# Altium PCB Zettbret.PcbDoc
Units mm, origin at the board's own origin, x right, y up, seen from the top; angles counter-clockwise.
Board outline 99.95 x 70.01 mm, 10 copper layers (L1(SIG), L2(GND), L3(PWR), L4(SIG), L5(GND), L6(SIG), L7(GND), L8(SIG), L9(GND), L10(SIG)), stack 1.49 mm thick; 421 components, 326 nets, 42 pads, 9 vias.
Unrouted connection lines stored in the file: 1395.
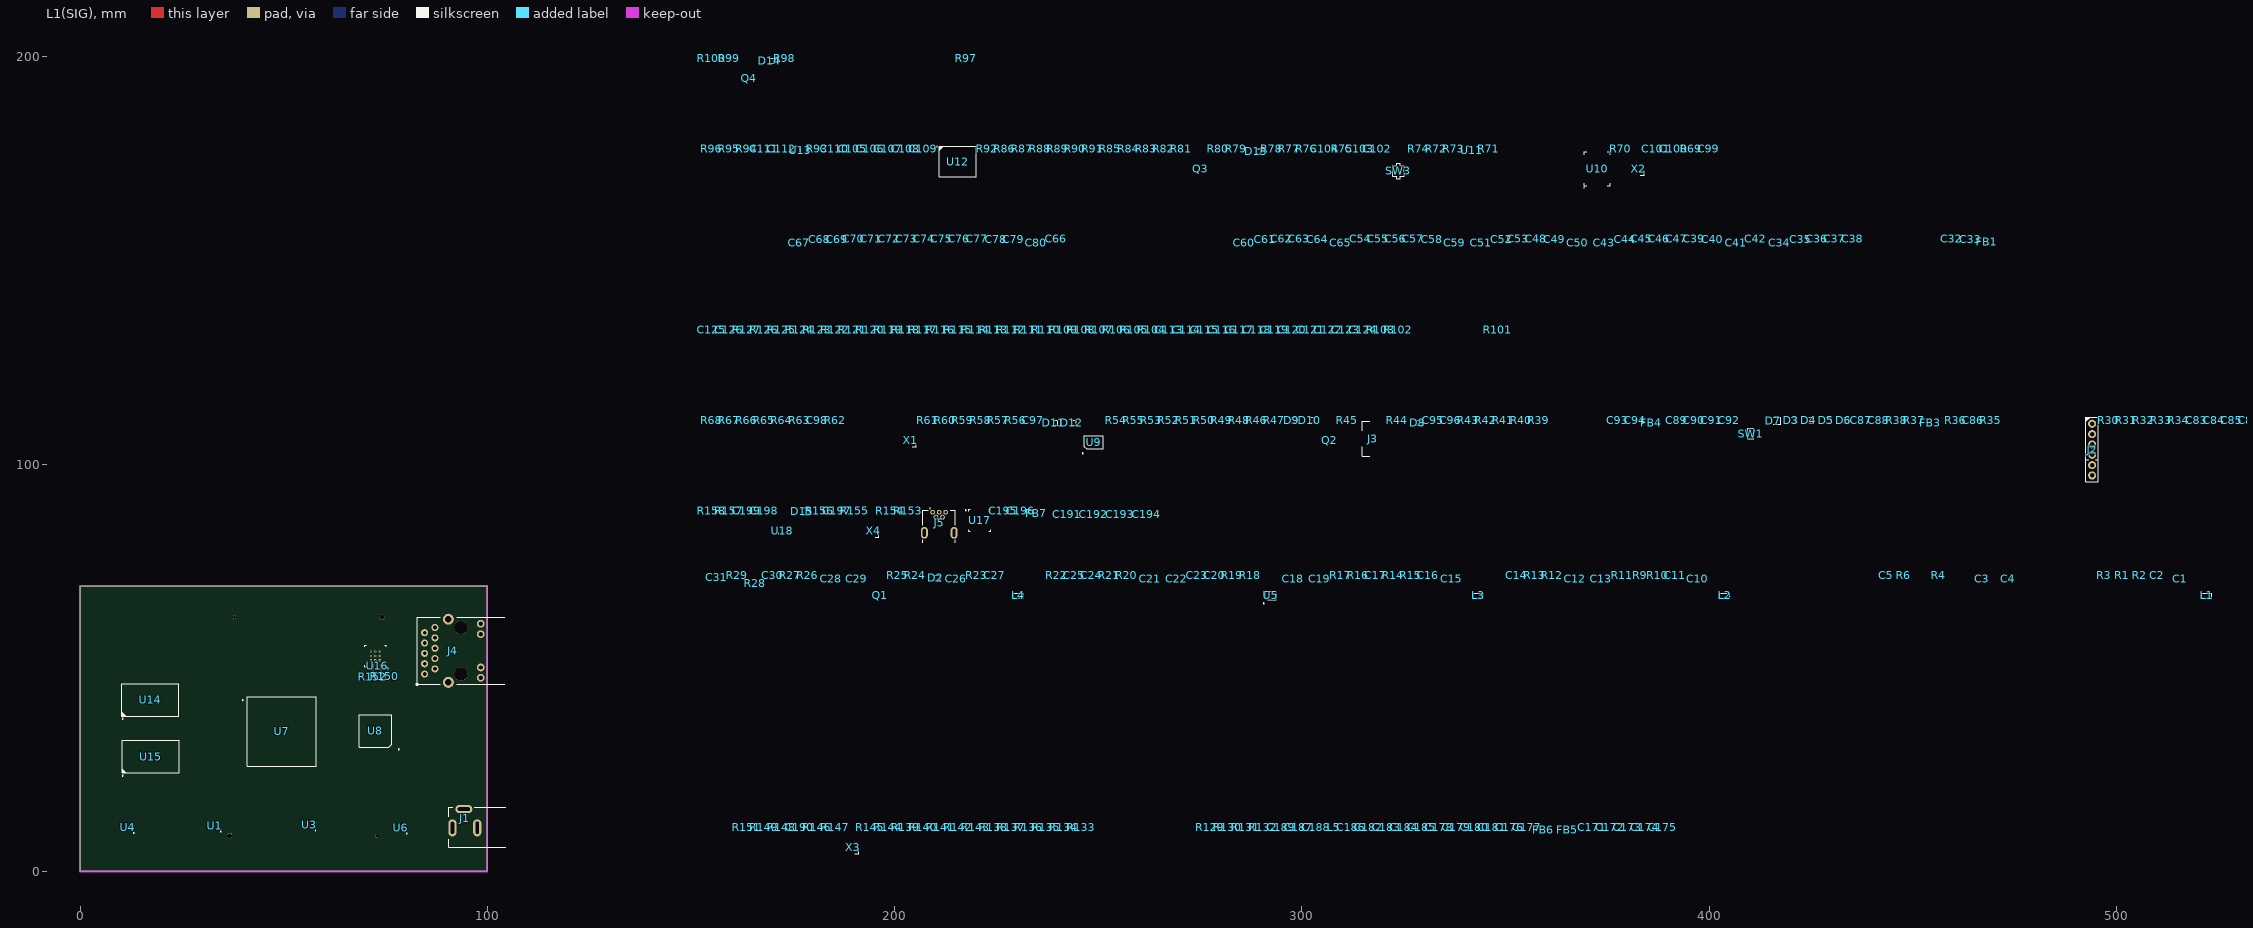
[diagram p0: L1(SIG) view]
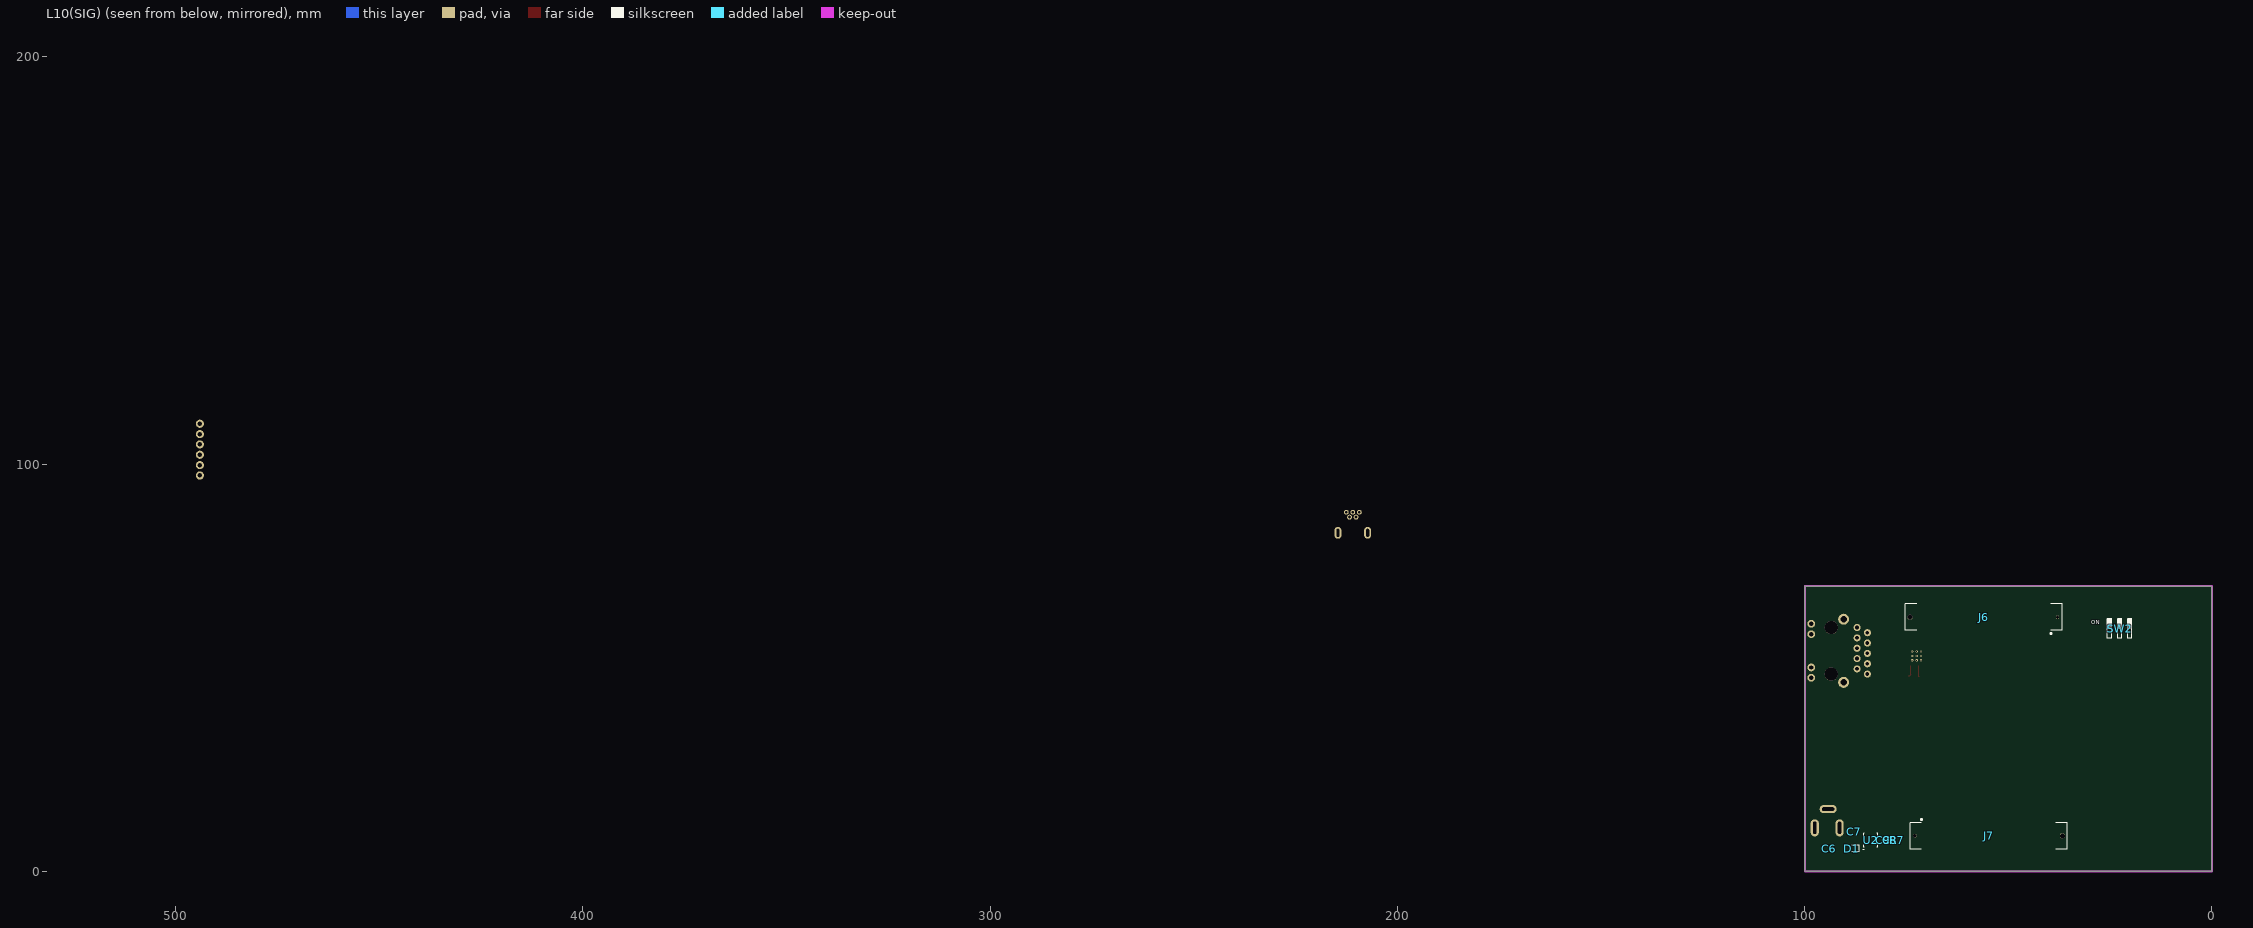
[diagram p1: L10(SIG) view, seen from below]

## Layer stack, top to bottom
Top Solder: solder mask 0.0254, SM-002, Dk 4
L1(SIG): signal copper 0.035
PP1_1080: prepreg 0.07, PP-006, Dk 4
L2(GND): signal copper 0.035
C1: core 0.15, Core-016, Dk 4.9
L3(PWR): signal copper 0.035
PP2_1080: prepreg 0.133, PP-006, Dk 4
L4(SIG): signal copper 0.035
C2: core 0.15, Core-016, Dk 4.9
L5(GND): signal copper 0.035
PP3_1080: prepreg 0.134, PP-006, Dk 4.1
L6(SIG): signal copper 0.035
C3: core 0.15, Core-016, Dk 4.9
L7(GND): signal copper 0.035
PP4_1080: prepreg 0.133, PP-006, Dk 4
L8(SIG): signal copper 0.035
C4: core 0.15, Core-016, Dk 4.9
L9(GND): signal copper 0.035
PP5_1080: prepreg 0.07, PP-006, Dk 4
L10(SIG): signal copper 0.035
Bottom Solder: solder mask 0.0254, SM-002, Dk 4

## Board outline
0,0 0,70.013 99.955,70.013 99.955,0

## Design rules (kind name [scope] priority, off if disabled: settings)
Clearance [All] p1: gap=0.152 ignorepadtopadclearanceinfootprint=TRUE
DiffPairsRouting [All] p1: maxlimit=0.254 minlimit=0.254 mostfreqgap=0.254 toplayer_minwidth=0.381 toplayer_maxwidth=0.381 toplayer_prefwidth=0.381 midlayer1_minwidth=0.381 midlayer1_maxwidth=0.381 midlayer1_prefwidth=0.381 midlayer2_minwidth=0.381 midlayer2_maxwidth=0.381 midlayer2_prefwidth=0.381 midlayer3_minwidth=0.381 midlayer3_maxwidth=0.381 midlayer3_prefwidth=0.381 midlayer4_minwidth=0.381 midlayer4_maxwidth=0.381 midlayer4_prefwidth=0.381 midlayer5_minwidth=0.381 midlayer5_maxwidth=0.381 midlayer5_prefwidth=0.381 midlayer6_minwidth=0.381 midlayer6_maxwidth=0.381 midlayer6_prefwidth=0.381 midlayer7_minwidth=0.381 midlayer7_maxwidth=0.381 midlayer7_prefwidth=0.381 midlayer8_minwidth=0.381 midlayer8_maxwidth=0.381 midlayer8_prefwidth=0.381 bottomlayer_minwidth=0.381 bottomlayer_maxwidth=0.381 bottomlayer_prefwidth=0.381 maxuncoupledlength=12.7
MatchedLengths "Schematic Matched Net Lengths_14" [InNetClass('RGMII_RX')] p1: tolerance=25.4 checknetsindiffpair=FALSE checkdiffpairvsdiffpair=TRUE checkxsignals=TRUE checkothers=TRUE usedelayunits=TRUE delaytolerance=20.000000
MatchedLengths "Schematic Matched Net Lengths" [InNetClass('QSPI')] p2: tolerance=25.4 checknetsindiffpair=FALSE checkdiffpairvsdiffpair=TRUE checkxsignals=TRUE checkothers=TRUE usedelayunits=TRUE delaytolerance=20.000000
PolygonConnect [All] p1: connectstyle=Relief reliefconductorwidth=0.254 reliefentries=4 polygonreliefangle="90 Angle" airgapwidth=0.254
RoutingVias [All] p1: holewidth=0.711 width=1.27 viastyle="Through Hole" minholewidth=0.711 minwidth=1.27 maxholewidth=0.711 maxwidth=1.27
SolderMaskExpansion [All] p1: expansion=0.102 istentingtop=FALSE
SupplyNets "Schematic Supply Nets_22" [InNet('+3V3_FTDI_PLL')] p1: voltage=0.000
SupplyNets "Schematic Supply Nets_12" [InNet('+3V3_FTDI_PHY')] p2: voltage=0.000
SupplyNets "Schematic Supply Nets_21" [InNet('NetJ3_SH')] p3: voltage=0.000
SupplyNets "Schematic Supply Nets_20" [InNet('+1V8_ETH')] p4: voltage=0.000
SupplyNets "Schematic Supply Nets_19" [InNet('+5V')] p5: voltage=0.000
SupplyNets "Schematic Supply Nets_18" [InNet('+1V35')] p6: voltage=0.000
SupplyNets "Schematic Supply Nets_17" [InNet('+1V0')] p7: voltage=0.000
SupplyNets "Schematic Supply Nets_16" [InNet('+0V675_Ref')] p8: voltage=0.000
SupplyNets "Schematic Supply Nets_15" [InNet('+5V_USB_AB')] p9: voltage=0.000
SupplyNets "Schematic Supply Nets_14" [InNet('+5V_USB')] p10: voltage=0.000
SupplyNets "Schematic Supply Nets_13" [InNet('+3V3_ETH')] p11: voltage=0.000
SupplyNets "Schematic Supply Nets_11" [InNet('+5V_USB_SW')] p12: voltage=0.000
SupplyNets "Schematic Supply Nets_10" [InNet('+1V8')] p13: voltage=0.000
SupplyNets "Schematic Supply Nets_9" [InNet('+1V8_PLL')] p14: voltage=0.000
SupplyNets "Schematic Supply Nets_8" [InNet('+0V675')] p15: voltage=0.000
SupplyNets "Schematic Supply Nets_7" [InNet('+VDC')] p16: voltage=0.000
SupplyNets "Schematic Supply Nets_6" [InNet('CGND')] p17: voltage=0.000
SupplyNets "Schematic Supply Nets_5" [InNet('+3V3')] p18: voltage=0.000
SupplyNets "Schematic Supply Nets_4" [InNet('VCC')] p19: voltage=0.000
SupplyNets "Schematic Supply Nets_3" [InNet('+1V0_ETH')] p20: voltage=0.000
SupplyNets "Schematic Supply Nets_2" [InNet('+VCC')] p21: voltage=0.000
SupplyNets "Schematic Supply Nets_1" [InNet('GND')] p22: voltage=0.000
SupplyNets "Schematic Supply Nets" [InNet('+1V8_FTDI')] p23: voltage=0.000
Width [All] p1: maxlimit=0.5 minlimit=0.2 preferedwidth=0.254
29 further rules are at their usual default settings.

## Classes and differential pairs
net class ULPI: USB_CLK USB_DATA0 USB_DATA1 USB_DATA2 USB_DATA3 USB_DATA4 USB_DATA5 USB_DATA6 USB_DATA7 USB_DIR USB_NXT USB_STP
net class RGMII_TX_PHY: ETH_PHY_TXCLK ETH_PHY_TXCLT ETH_PHY_TXD0 ETH_PHY_TXD1 ETH_PHY_TXD2 ETH_PHY_TXD3
net class RGMII_RX_PHY: ETH_PHY_RXCLK ETH_PHY_RXCLT ETH_PHY_RXD0 ETH_PHY_RXD1 ETH_PHY_RXD2 ETH_PHY_RXD3
net class DDR_BL3: DDR_DM3 DDR_DQ24 DDR_DQ25 DDR_DQ26 DDR_DQ27 DDR_DQ28 DDR_DQ29 DDR_DQ30 DDR_DQ31 DDR_DQS3_N DDR_DQS3_P
net class DDR_BL2: DDR_DM2 DDR_DQ16 DDR_DQ17 DDR_DQ18 DDR_DQ19 DDR_DQ20 DDR_DQ21 DDR_DQ22 DDR_DQ23 DDR_DQS2_N DDR_DQS2_P
net class DDR_BL1: DDR_DM1 DDR_DQ8 DDR_DQ9 DDR_DQ10 DDR_DQ11 DDR_DQ12 DDR_DQ13 DDR_DQ14 DDR_DQ15 DDR_DQS1_N DDR_DQS1_P
net class DDR_BL0: DDR_DM0 DDR_DQ0 DDR_DQ1 DDR_DQ2 DDR_DQ3 DDR_DQ4 DDR_DQ5 DDR_DQ6 DDR_DQ7 DDR_DQS0_N DDR_DQS0_P
differential pair class DDR_DIFF_100: DDR_DQS0 DDR_DQS1 DDR_DQS2 DDR_DQS3
net class DDR_ACC: DDR_A0 DDR_A1 DDR_A2 DDR_A3 DDR_A4 DDR_A5 DDR_A6 DDR_A7 DDR_A8 DDR_A9 DDR_A10 DDR_A11 DDR_A12 DDR_A13 DDR_A14 DDR_BA0 DDR_BA1 DDR_BA2 DDR_CK_N DDR_CK_P DDR_CKE DDR_NCAS DDR_NCS DDR_NRAS DDR_NRST DDR_NWE DDR_ODT
differential pair class ETH_DIFF_100: MDI0 MDI1 MDI2 MDI3
differential pair class 100ohm: PL_B34_L4 PL_B34_L7 PL_B34_L8 PL_B34_L10 PL_B34_L11 PL_B34_L14 PL_B34_L15 PL_B34_L16 PL_B34_L17 PL_B34_L18 PL_B34_L22
differential pair class 90OHM: USB_FTDI_D USB_HS_D
net class RGMII_RX: ETH_RXCLK ETH_RXCLT ETH_RXD0 ETH_RXD1 ETH_RXD2 ETH_RXD3 ETH_TXCLK ETH_TXCLT ETH_TXD0 ETH_TXD1 ETH_TXD2 ETH_TXD3 SD_D3
net class QSPI: FLASH_CLK_M4 QSPI_CLK QSPI_DQ0_M3 QSPI_DQ1_M1 QSPI_DQ2_M2 QSPI_DQ3_M0 QSPI_NCS
net class ETH_MDI: MDI0_N MDI0_P MDI1_N MDI1_P MDI2_N MDI2_P MDI3_N MDI3_P
net class BANK35: PL_B5_L5_N PL_B5_L5_P PL_B35_IO25 PL_B35_L3_N PL_B35_L3_P PL_B35_L6_N PL_B35_L6_P PL_B35_L7_N PL_B35_L7_P PL_B35_L8_N PL_B35_L8_P PL_B35_L9_N PL_B35_L9_P PL_B35_L11_N PL_B35_L13_N PL_B35_L13_P PL_B35_L14_N PL_B35_L14_P PL_B35_L16_N PL_B35_L16_P PL_B35_L20_N PL_B35_L20_P PL_B35_L22_N PL_B35_L22_P PL_B35_L23_N PL_B35_L23_P PL_B35_L24_N
net class BANK34: PL_B34_L4_N PL_B34_L4_P PL_B34_L7_N PL_B34_L7_P PL_B34_L8_N PL_B34_L8_P PL_B34_L10_N PL_B34_L10_P PL_B34_L11_N PL_B34_L11_P PL_B34_L14_N PL_B34_L14_P PL_B34_L15_N PL_B34_L15_P PL_B34_L16_N PL_B34_L16_P PL_B34_L17_N PL_B34_L17_P PL_B34_L18_N PL_B34_L18_P PL_B34_L22_N PL_B34_L22_P
component class "Zynq programmable logic (PL)": D14 Q4 R97 R98 R99 R100
component class "Zynq processing system (PS)": C99 C100 C101 C102 C103 C104 C105 C106 C107 C108 C109 C110 C111 C112 D13 Q3 R69 R70 R71 R72 R73 R74 R75 R76 R77 R78 R79 R80 R81 R82 R83 R84 R85 R86 R87 R88 R89 R90 R91 R92 R93 R94 R95 R96 SW3 U10 U11 U12 U13 X2
component class "Zynq power and decoupling": C32 C33 C34 C35 C36 C37 C38 C39 C40 C41 C42 C43 C44 C45 C46 C47 C48 C49 C50 C51 C52 C53 C54 C55 C56 C57 C58 C59 C60 C61 C62 C63 C64 C65 C66 C67 C68 C69 C70 C71 C72 C73 C74 C75 C76 C77 C78 C79 C80 FB1 U7
component class "Zynq DDR Interface & Termination": C113 C114 C115 C116 C117 C118 C119 C120 C121 C122 C123 C124 C125 C126 R101 R102 R103 R104 R105 R106 R107 R108 R109 R110 R111 R112 R113 R114 R115 R116 R117 R118 R119 R120 R121 R122 R123 R124 R125 R126 R127
component class "Zynq config, JTAG, Debug": C81 C82 C83 C84 C85 C86 C87 C88 C89 C90 C91 C92 C93 C94 C95 C96 C97 C98 D3 D4 D5 D6 D7 D8 D9 D10 D11 D12 FB2 FB3 FB4 J2 J3 Q2 R30 R31 R32 R33 R34 R35 R36 R37 R38 R39 R40 R41 R42 R43 R44 R45 R46 R47 R48 R49 R50 R51 R52 R53 R54 R55 R56 R57 R58 R59 R60 R61 R62 R63 R64 R65 R66 R67 R68 SW1 SW2 U8 U9 X1
component class "USB 2.0 High-Speed (OTG)": C191 C192 C193 C194 C195 C196 C197 C198 C199 D15 FB7 J5 R153 R154 R155 R156 R157 R158 U17 U18 X4
component class Power_supplies: C1 C2 C3 C4 C5 C6 C7 C8 C9 C10 C11 C12 C13 C14 C15 C16 C17 C18 C19 C20 C21 C22 C23 C24 C25 C26 C27 C28 C29 C30 C31 D1 D2 J1 L1 L2 L3 L4 Q1 R1 R2 R3 R4 R5 R6 R7 R8 R9 R10 R11 R12 R13 R14 R15 R16 R17 R18 R19 R20 R21 R22 R23 R24 R25 R26 R27 R28 R29 U1 U2 U3 U4 U5 U6
component class "Mezzanine Connectors": J6 J7
component class "Gigabit Ethernet": C171 C172 C173 C174 C175 C176 C177 C178 C179 C180 C181 C182 C183 C184 C185 C186 C187 C188 C189 C190 FB5 FB6 J4 L5 R129 R130 R131 R132 R133 R134 R135 R136 R137 R138 R139 R140 R141 R142 R143 R144 R145 R146 R147 R148 R149 R150 R151 R152 U16 X3
component class "1GB DDR3L Modules": C127 C128 C129 C130 C131 C132 C133 C134 C135 C136 C137 C138 C139 C140 C141 C142 C143 C144 C145 C146 C147 C148 C149 C150 C151 C152 C153 C154 C155 C156 C157 C158 C159 C160 C161 C162 C163 C164 C165 C166 C167 C168 C169 C170 R128 R159 U14 U15
differential pair MDI1: +MDI1_P -MDI1_N
differential pair DDR_DQS3: +DDR_DQS3_P -DDR_DQS3_N
differential pair DDR_DQS2: +DDR_DQS2_P -DDR_DQS2_N
differential pair DDR_DQS1: +DDR_DQS1_P -DDR_DQS1_N
differential pair DDR_DQS0: +DDR_DQS0_P -DDR_DQS0_N
differential pair USB_HS_D: +USB_HS_D_P -USB_HS_D_N
differential pair USB_FTDI_D: +USB_FTDI_D_P -USB_FTDI_D_N
differential pair PL_B34_L22: +PL_B34_L22_P -PL_B34_L22_N
differential pair PL_B34_L18: +PL_B34_L18_P -PL_B34_L18_N
differential pair PL_B34_L17: +PL_B34_L17_P -PL_B34_L17_N
differential pair PL_B34_L16: +PL_B34_L16_P -PL_B34_L16_N
differential pair PL_B34_L15: +PL_B34_L15_P -PL_B34_L15_N
differential pair PL_B34_L14: +PL_B34_L14_P -PL_B34_L14_N
differential pair PL_B34_L11: +PL_B34_L11_P -PL_B34_L11_N
differential pair PL_B34_L10: +PL_B34_L10_P -PL_B34_L10_N
differential pair PL_B34_L8: +PL_B34_L8_P -PL_B34_L8_N
differential pair PL_B34_L7: +PL_B34_L7_P -PL_B34_L7_N
differential pair PL_B34_L4: +PL_B34_L4_P -PL_B34_L4_N
differential pair MDI3: +MDI3_P -MDI3_N
differential pair MDI2: +MDI2_P -MDI2_N
differential pair MDI0: +MDI0_P -MDI0_N
differential pair DDR_CK: +DDR_CK_P -DDR_CK_N

## Components (designator, comment, footprint, x,y, rotation, side; value= is the part's Value field where it differs from the comment)
C1 "C1210" CAP_1210 515.769,71.792 r0 top value=22u
C2 "C0402" CAP_0402 510.054,72.681 r0 top value=22p
C3 "C1210" CAP_1210 467.128,71.792 r0 top value=22u
C4 "C1210" CAP_1210 473.478,71.792 r0 top value=22u
C5 "C0402" CAP_0402 443.506,72.681 r0 top value=100n
C6 "C1210" CAP_1210 93.98,5.588 r180 bottom value=22u
C7 "C1210" CAP_1210 87.884,9.652 r90 bottom value=22u
C8 "C0402" CAP_0402 78.988,7.637 r90 bottom value=100n
C9 "C0402" CAP_0402 80.772,7.628 r90 bottom value=100n
C10 "C1210" CAP_1210 397.278,71.792 r0 top value=22u
C11 "C0402" CAP_0402 391.69,72.681 r0 top value=22p
C12 "C1210" CAP_1210 367.179,71.792 r0 top value=22u
C13 "C1210" CAP_1210 373.529,71.792 r0 top value=22u
C14 "C0402" CAP_0402 352.828,72.681 r0 top value=100n
C15 "C1210" CAP_1210 336.826,71.792 r0 top value=22u
C16 "C0402" CAP_0402 331.111,72.681 r0 top value=22p
C17 "C0402" CAP_0402 318.157,72.681 r0 top value=4u7
C18 "C1210" CAP_1210 297.964,71.792 r0 top value=22u
C19 "C1210" CAP_1210 304.441,71.792 r0 top value=22u
C20 "C0402" CAP_0402 278.66,72.681 r0 top value=100n
C21 "C1210" CAP_1210 262.785,71.792 r0 top value=22u
C22 "C1210" CAP_1210 269.262,71.792 r0 top value=22u
C23 "C0402" CAP_0402 274.342,72.681 r0 top value=4u7
C24 "C0402" CAP_0402 248.434,72.681 r0 top value=4u7
C25 "C0402" CAP_0402 244.116,72.681 r0 top value=4u7
C26 "C1210" CAP_1210 215.16,71.792 r0 top value=22u
C27 "C0402" CAP_0402 224.558,72.681 r0 top value=22p
C28 "C1210" CAP_1210 184.426,71.792 r0 top value=22u
C29 "C1210" CAP_1210 190.776,71.792 r0 top value=22u
C30 "C0402" CAP_0402 170.075,72.681 r0 top value=100n
C31 "C1206" CAP_1206 156.359,72.173 r0 top value=1n
C32 "C0201" CAP_0201 459.635,155.358 r0 top value=470n
C33 "C0402" CAP_0402 464.207,155.231 r0 top value=4u7
C34 "C1210" CAP_1210 417.344,154.342 r0 top value=100u
C35 "C0402" CAP_0402 422.551,155.231 r0 top value=4u7
C36 "C0201" CAP_0201 426.615,155.358 r0 top value=470n
C37 "C0201" CAP_0201 430.933,155.358 r0 top value=470n
C38 "C0201" CAP_0201 435.251,155.358 r0 top value=470n
C39 "C0201" CAP_0201 396.389,155.358 r0 top value=470n
C40 "C0402" CAP_0402 400.961,155.231 r0 top value=4u7
C41 "C1210" CAP_1210 406.676,154.342 r0 top value=100u
C42 "C0201" CAP_0201 411.502,155.358 r0 top value=470n
C43 "C1210" CAP_1210 374.291,154.342 r0 top value=100u
C44 "C0402" CAP_0402 379.371,155.231 r0 top value=4u7
C45 "C0201" CAP_0201 383.435,155.358 r0 top value=470n
C46 "C0201" CAP_0201 387.753,155.358 r0 top value=470n
C47 "C0201" CAP_0201 392.071,155.358 r0 top value=470n
C48 "C0201" CAP_0201 357.527,155.358 r0 top value=470n
C49 "C0402" CAP_0402 362.099,155.231 r0 top value=4u7
C50 "C1210" CAP_1210 367.814,154.342 r0 top value=100u
C51 "C1210" CAP_1210 344.065,154.342 r0 top value=100u
C52 "C0402" CAP_0402 349.145,155.231 r0 top value=4u7
C53 "C0201" CAP_0201 353.209,155.358 r0 top value=470n
C54 "C0201" CAP_0201 314.474,155.358 r0 top value=470n
C55 "C0201" CAP_0201 318.792,155.358 r0 top value=470n
C56 "C0201" CAP_0201 323.11,155.358 r0 top value=470n
C57 "C0201" CAP_0201 327.428,155.358 r0 top value=470n
C58 "C0402" CAP_0402 332,155.231 r0 top value=4u7
C59 "C1210" CAP_1210 337.588,154.342 r0 top value=100u
C60 "C1210" CAP_1210 285.899,154.342 r0 top value=100u
C61 "C0402" CAP_0402 290.979,155.231 r0 top value=4u7
C62 "C0201" CAP_0201 295.043,155.358 r0 top value=470n
C63 "C0201" CAP_0201 299.361,155.358 r0 top value=470n
C64 "C0402" CAP_0402 303.933,155.231 r0 top value=4u7
C65 "C1210" CAP_1210 309.521,154.342 r0 top value=100u
C66 "C0201" CAP_0201 239.671,155.358 r0 top value=470n
C67 "C1210" CAP_1210 176.552,154.342 r0 top value=100u
C68 "C0402" CAP_0402 181.632,155.231 r0 top value=4u7
C69 "C0402" CAP_0402 185.95,155.231 r0 top value=4u7
C70 "C0201" CAP_0201 190.014,155.358 r0 top value=470n
C71 "C0201" CAP_0201 194.332,155.358 r0 top value=470n
C72 "C0201" CAP_0201 198.65,155.358 r0 top value=470n
C73 "C0201" CAP_0201 202.968,155.358 r0 top value=470n
C74 "C0201" CAP_0201 207.286,155.358 r0 top value=470n
C75 "C0201" CAP_0201 211.604,155.358 r0 top value=470n
C76 "C0201" CAP_0201 215.922,155.358 r0 top value=470n
C77 "C0201" CAP_0201 220.367,155.358 r0 top value=470n
C78 "C0402" CAP_0402 224.939,155.231 r0 top value=4u7
C79 "C0402" CAP_0402 229.257,155.231 r0 top value=4u7
C80 "C1210" CAP_1210 234.845,154.342 r0 top value=100u
C81 "100n" CAP_0402 536.978,110.781 r0 top
C82 "4u7" CAP_0402 532.66,110.781 r0 top
C83 "100n" CAP_0402 519.706,110.781 r0 top
C84 "100n" CAP_0402 524.024,110.781 r0 top
C85 "100n" CAP_0402 528.342,110.781 r0 top
C86 "100n" CAP_0402 464.842,110.781 r0 top
C87 "4u7" CAP_0402 437.41,110.781 r0 top
C88 "100n" CAP_0402 441.728,110.781 r0 top
C89 "100n" CAP_0402 392.071,110.781 r0 top
C90 "100n" CAP_0402 396.389,110.781 r0 top
C91 "100n" CAP_0402 400.707,110.781 r0 top
C92 "100n" CAP_0402 405.025,110.781 r0 top
C93 "4u7" CAP_0402 377.593,110.781 r0 top
C94 "4u7" CAP_0402 381.911,110.781 r0 top
C95 "100n" CAP_0402 332.254,110.781 r0 top
C96 "4u7" CAP_0402 336.572,110.781 r0 top
C97 "100n" CAP_0402 234.083,110.781 r0 top
C98 "100n" CAP_0402 180.997,110.781 r0 top
C99 "100n" CAP_0402 399.945,177.456 r0 top
C100 "100n" CAP_0402 391.309,177.456 r0 top
C101 "100n" CAP_0402 386.991,177.456 r0 top
C102 "100n" CAP_0402 318.538,177.456 r0 top
C103 "100n" CAP_0402 314.22,177.456 r0 top
C104 "100n" CAP_0402 305.584,177.456 r0 top
C105 "100n" CAP_0402 189.76,177.456 r0 top
C106 "4u7" CAP_0402 194.078,177.456 r0 top
C107 "100n" CAP_0402 198.396,177.456 r0 top
C108 "4u7" CAP_0402 202.714,177.456 r0 top
C109 "4u7" CAP_0402 207.032,177.456 r0 top
C110 "100n" CAP_0402 185.315,177.456 r0 top
C111 "100n" CAP_0402 168.043,177.456 r0 top
C112 "4u7" CAP_0402 172.361,177.456 r0 top
C113 "C0402" CAP_0402 267.484,133.006 r0 top value=47n
C114 "C0402" CAP_0402 271.802,133.006 r0 top value=47n
C115 "C0402" CAP_0402 276.12,133.006 r0 top value=47n
C116 "C0402" CAP_0402 280.438,133.006 r0 top value=47n
C117 "C0402" CAP_0402 284.756,133.006 r0 top value=470n
C118 "C0402" CAP_0402 289.074,133.006 r0 top value=470n
C119 "C0402" CAP_0402 293.392,133.006 r0 top value=470n
C120 "C0402" CAP_0402 297.71,133.006 r0 top value=470n
C121 "C0402" CAP_0402 302.155,133.006 r0 top value=4u7
C122 "C0402" CAP_0402 306.473,133.006 r0 top value=4u7
C123 "C0402" CAP_0402 310.791,133.006 r0 top value=4u7
C124 "C0402" CAP_0402 315.109,133.006 r0 top value=4u7
C125 "C0402" CAP_0402 155.089,133.006 r0 top value=47n
C126 "C0402" CAP_0402 159.407,133.006 r0 top value=47n
C127 "C0402" CAP_0402 409.47,-15.584 r0 top value=47n
C128 "C0402" CAP_0402 383.816,-15.584 r0 top value=47n
C129 "C0402" CAP_0402 329.841,-15.584 r0 top value=4u7
C130 "C0402" CAP_0402 334.159,-15.584 r0 top value=470n
C131 "C0402" CAP_0402 338.477,-15.584 r0 top value=47n
C132 "C0402" CAP_0402 342.795,-15.584 r0 top value=47n
C133 "C0402" CAP_0402 347.113,-15.584 r0 top value=47n
C134 "C0402" CAP_0402 351.431,-15.584 r0 top value=47n
C135 "C0402" CAP_0402 355.749,-15.584 r0 top value=47n
C136 "C0402" CAP_0402 360.067,-15.584 r0 top value=47n
C137 "C0402" CAP_0402 364.385,-15.584 r0 top value=47n
C138 "C0402" CAP_0402 368.703,-15.584 r0 top value=47n
C139 "C0402" CAP_0402 275.993,-15.584 r0 top value=4u7
C140 "C0402" CAP_0402 280.311,-15.584 r0 top value=470n
C141 "C0402" CAP_0402 284.629,-15.584 r0 top value=47n
C142 "C0402" CAP_0402 288.947,-15.584 r0 top value=47n
C143 "C0402" CAP_0402 293.265,-15.584 r0 top value=47n
C144 "C0402" CAP_0402 297.583,-15.584 r0 top value=47n
C145 "C0402" CAP_0402 301.901,-15.584 r0 top value=47n
C146 "C0402" CAP_0402 306.219,-15.584 r0 top value=47n
C147 "C0402" CAP_0402 310.537,-15.584 r0 top value=47n
C148 "C0402" CAP_0402 314.855,-15.584 r0 top value=47n
C149 "C0402" CAP_0402 267.23,-15.584 r0 top value=47n
C150 "C0402" CAP_0402 241.576,-15.584 r0 top value=47n
C151 "C0402" CAP_0402 198.396,-15.584 r0 top value=4u7
C152 "C0402" CAP_0402 202.714,-15.584 r0 top value=470n
C153 "C0402" CAP_0402 207.032,-15.584 r0 top value=47n
C154 "C0402" CAP_0402 211.35,-15.584 r0 top value=47n
C155 "C0402" CAP_0402 215.668,-15.584 r0 top value=47n
C156 "C0402" CAP_0402 219.986,-15.584 r0 top value=47n
C157 "C0402" CAP_0402 224.304,-15.584 r0 top value=47n
C158 "C0402" CAP_0402 228.622,-15.584 r0 top value=47n
C159 "C0402" CAP_0402 232.94,-15.584 r0 top value=47n
C160 "C0402" CAP_0402 237.258,-15.584 r0 top value=47n
C161 "C0402" CAP_0402 155.089,-15.584 r0 top value=4u7
C162 "C0402" CAP_0402 159.407,-15.584 r0 top value=470n
C163 "C0402" CAP_0402 163.725,-15.584 r0 top value=47n
C164 "C0402" CAP_0402 168.043,-15.584 r0 top value=47n
C165 "C0402" CAP_0402 172.361,-15.584 r0 top value=47n
C166 "C0402" CAP_0402 176.679,-15.584 r0 top value=47n
C167 "C0402" CAP_0402 180.997,-15.584 r0 top value=47n
C168 "C0402" CAP_0402 185.442,-15.584 r0 top value=47n
C169 "C0402" CAP_0402 189.76,-15.584 r0 top value=47n
C170 "C0402" CAP_0402 194.078,-15.584 r0 top value=47n
C171 "4u7" CAP_0402 371.37,10.832 r0 top
C172 "100n" CAP_0402 375.688,10.832 r0 top
C173 "100n" CAP_0402 380.006,10.832 r0 top
C174 "100n" CAP_0402 384.324,10.832 r0 top
C175 "100n" CAP_0402 388.642,10.832 r0 top
C176 "100n" CAP_0402 351.05,10.832 r0 top
C177 "100n" CAP_0402 355.368,10.832 r0 top